# Allegro board 6089-119-RevB_08.brd (continued)
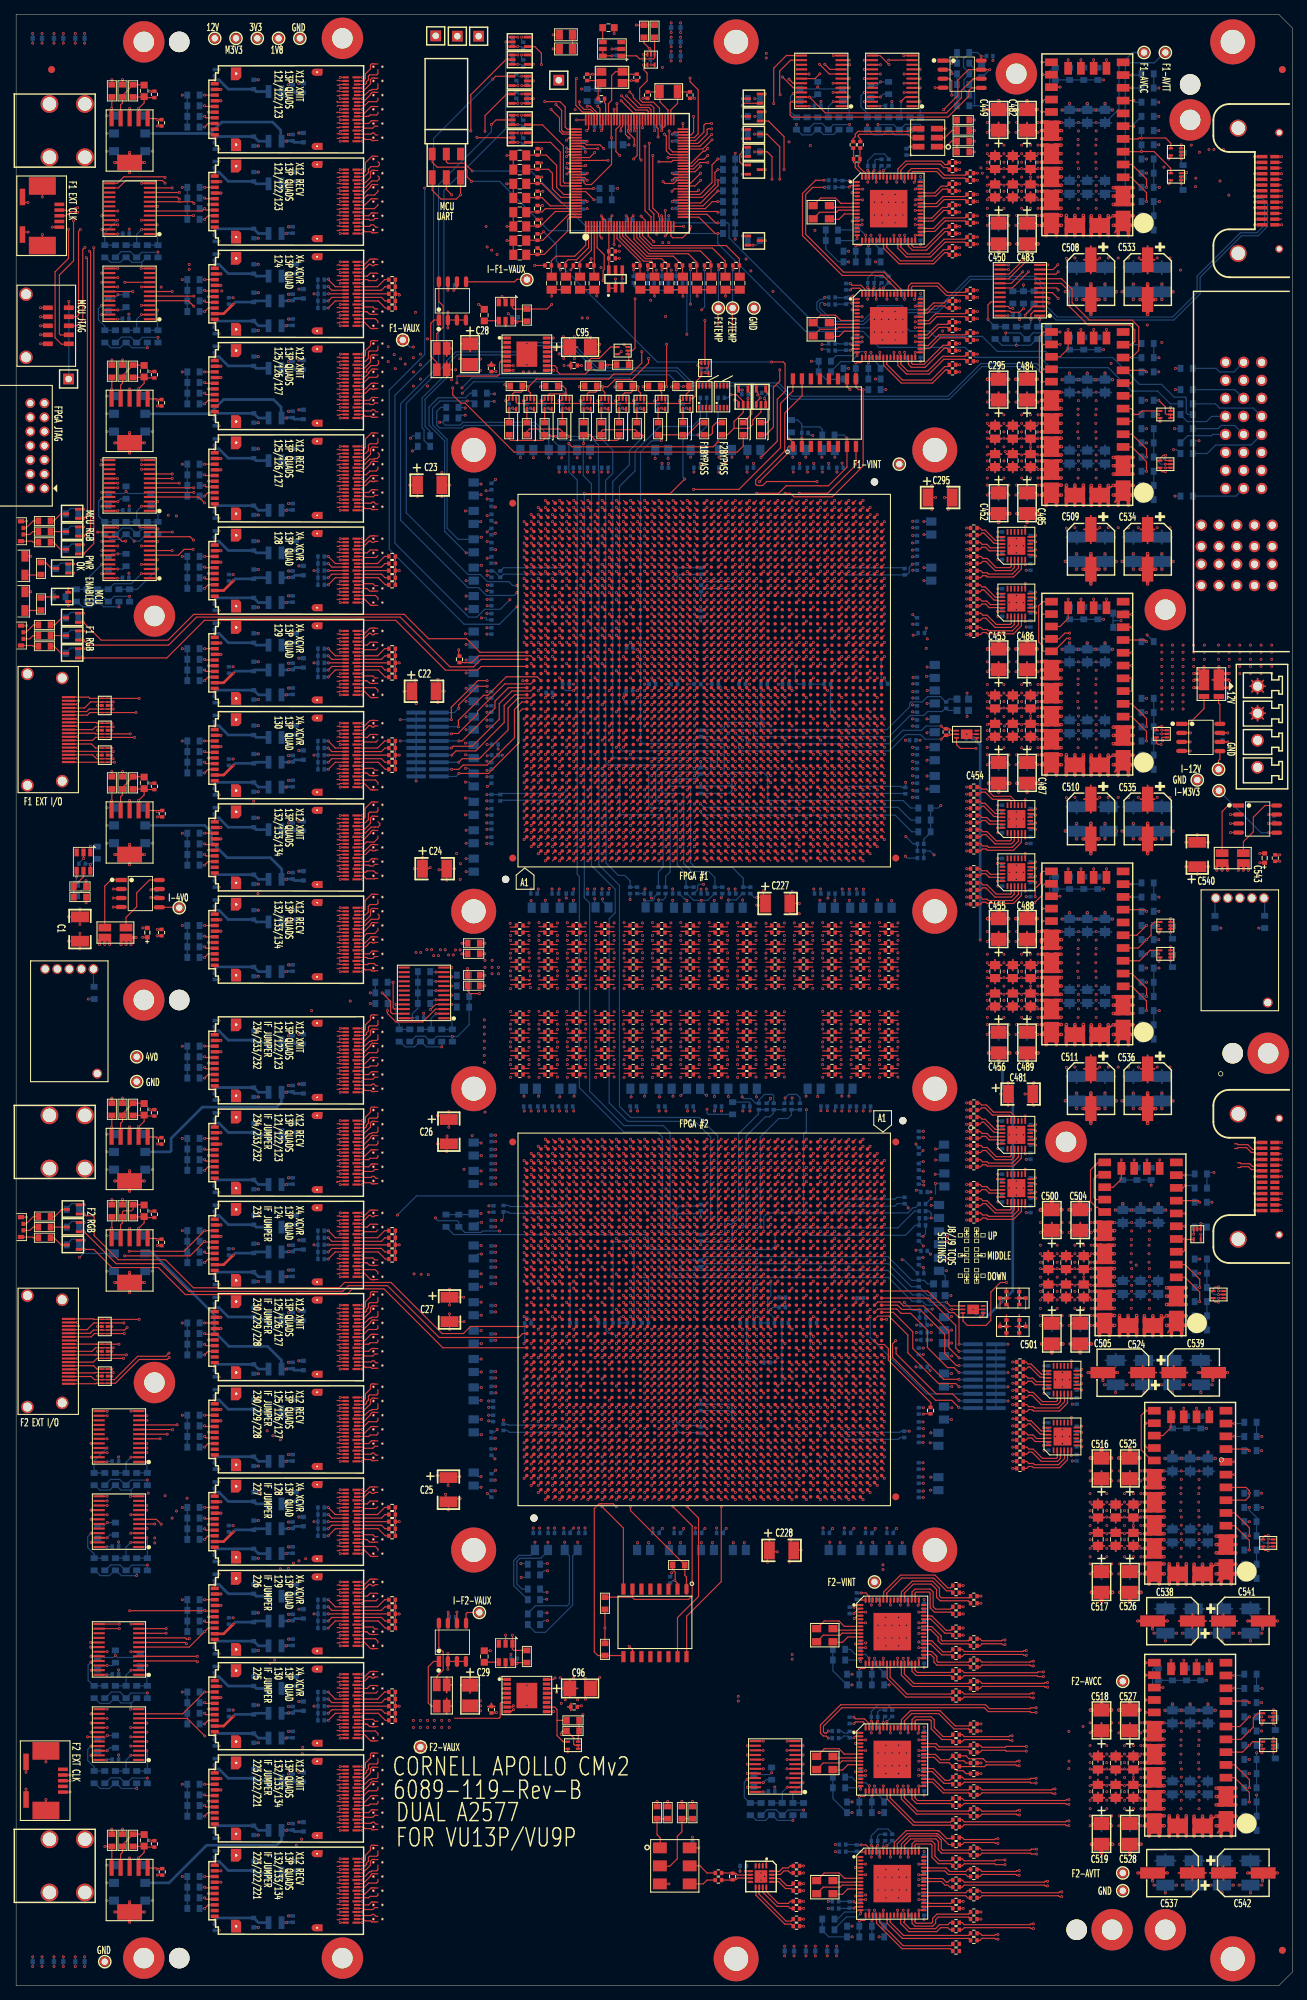
[diagram p0: board, top side]
## Routing (per net, layer and track width the routed paths; a pad name or vN(x,y) marks a point on that pad's centre or on a via; arc(x,y) is an arc through that point) (continued)
BC_PF1L_R0_2: length 7.2
  TOP w0.165: C370.1 135.71,200.4 135.73,200.41 135.96,200.41 136.25,200.7 136.7,200.7 137.99,199.4 140.3,199.4 140.71,199.81 140.71,200.22 140.75,200.26 U96.3
BC_PF1L_R0_3: length 3.9
  TOP w0.165: U96.23 138.36,202.15 138.32,202.19 137.17,202.19 136.67,202.69 136.15,202.69 135.86,202.4 C368.1
BC_PF1L_R0_4: length 4.4
  TOP w0.165: U96.21 138.36,203.15 138.26,203.25 137.85,203.25 136.41,204.69 136.15,204.69 135.86,204.4 C366.1
BC_PF1L_R0_5: length 8.3
  TOP w0.165: U97.5 141.75,192.26 141.71,192.22 141.71,191.61 140.6,190.5 136.9,190.5 136.72,190.68 136.23,190.68 135.95,190.4 C380.1
BC_PF1L_R0_6: length 7.2
  TOP w0.165: U97.3 140.75,192.26 140.71,192.22 140.71,191.81 140.3,191.4 137.99,191.4 136.7,192.7 136.25,192.7 135.96,192.41 135.73,192.41 135.71,192.4 C378.1
BC_PF1L_R0_7: length 3.9
  TOP w0.165: C376.1 135.86,194.4 136.15,194.69 136.67,194.69 137.17,194.19 138.32,194.19 138.36,194.15 U97.23
BC_PF1L_R0_8: length 4.4
  TOP w0.165: C374.1 135.86,196.4 136.15,196.69 136.41,196.69 137.85,195.25 138.26,195.25 138.36,195.15 U97.21
BC_PF1R_R0_1: length 8.3
  TOP w0.165: U98.5 141.75,161.76 141.71,161.72 141.71,161.11 140.6,160 136.9,160 136.72,160.18 136.23,160.18 135.95,159.9 C390.1
BC_PF1R_R0_2: length 7.2
  TOP w0.165: U98.3 140.75,161.76 140.71,161.72 140.71,161.31 140.3,160.9 137.99,160.9 136.7,162.2 136.25,162.2 135.96,161.91 135.73,161.91 135.71,161.9 C388.1
BC_PF1R_R0_3: length 3.9
  TOP w0.165: C386.1 135.86,163.9 136.15,164.19 136.67,164.19 137.17,163.69 138.32,163.69 138.36,163.65 U98.23
BC_PF1R_R0_4: length 4.4
  TOP w0.165: U98.21 138.36,164.65 138.26,164.75 137.85,164.75 136.41,166.19 136.15,166.19 135.86,165.9 C384.1
BC_PF1R_R0_5: length 6
  TOP w0.165: U98.17 140.25,166.95 140.02,167.18 137.62,167.18 136.61,168.19 136.09,168.19 135.8,167.9 C382.1
BC_PF1R_R0_6: length 8.3
  TOP w0.165: C396.1 135.95,152.4 136.23,152.68 136.72,152.68 136.9,152.5 140.6,152.5 141.71,153.61 141.71,154.22 141.75,154.26 U99.5
BC_PF1R_R0_7: length 7.2
  TOP w0.165: U99.3 140.75,154.26 140.71,154.22 140.71,153.81 140.3,153.4 137.99,153.4 136.7,154.7 136.25,154.7 135.96,154.41 135.73,154.41 135.71,154.4 C394.1
BC_PF1R_R0_8: length 3.9
  TOP w0.165: U99.23 138.36,156.15 138.32,156.19 137.17,156.19 136.67,156.69 136.15,156.69 135.86,156.4 C392.1
BC_PF2L_R0_1: length 8.3
  TOP w0.165: U103.5 148.25,82.76 148.21,82.72 148.21,82.11 147.1,81 143.4,81 143.22,81.18 142.73,81.18 142.45,80.9 C472.1
BC_PF2L_R0_2: length 7.2
  TOP w0.165: U103.3 147.25,82.76 147.21,82.72 147.21,82.31 146.8,81.9 144.49,81.9 143.2,83.2 142.75,83.2 142.46,82.91 142.23,82.91 142.21,82.9 C470.1
BC_PF2L_R0_3: length 3.9
  TOP w0.165: C468.1 142.36,84.9 142.65,85.19 143.17,85.19 143.67,84.69 144.82,84.69 144.86,84.65 U103.23
BC_PF2L_R0_4: length 4.4
  TOP w0.165: U103.21 144.86,85.65 144.76,85.75 144.35,85.75 142.91,87.19 142.65,87.19 142.36,86.9 C466.1
BC_PF2L_R0_5: length 8.3
  TOP w0.165: C480.1 142.45,72.9 142.73,73.18 143.22,73.18 143.4,73 147.1,73 148.21,74.11 148.21,74.72 148.25,74.76 U104.5
BC_PF2L_R0_6: length 7.2
  TOP w0.165: C478.1 142.21,74.9 142.23,74.91 142.46,74.91 142.75,75.2 143.2,75.2 144.49,73.9 146.8,73.9 147.21,74.31 147.21,74.72 147.25,74.76 U104.3
BC_PF2L_R0_7: length 3.9
  TOP w0.165: U104.23 144.86,76.65 144.82,76.69 143.67,76.69 143.17,77.19 142.65,77.19 142.36,76.9 C476.1
BC_PF2L_R0_8: length 4.4
  TOP w0.165: C474.1 142.36,78.9 142.65,79.19 142.91,79.19 144.35,77.75 144.76,77.75 144.86,77.65 U104.21
BC_PF2R_R0_1: length 8.3
  TOP w0.165: C406.1 135.95,115.4 136.23,115.68 136.72,115.68 136.9,115.5 140.6,115.5 141.71,116.61 141.71,117.22 141.75,117.26 U100.5
BC_PF2R_R0_2: length 7.2
  TOP w0.165: U100.3 140.75,117.26 140.71,117.22 140.71,116.81 140.3,116.4 137.99,116.4 136.7,117.7 136.25,117.7 135.96,117.41 135.73,117.41 135.71,117.4 C404.1
BC_PF2R_R0_3: length 3.9
  TOP w0.165: C402.1 135.86,119.4 136.15,119.69 136.67,119.69 137.17,119.19 138.32,119.19 138.36,119.15 U100.23
BC_PF2R_R0_4: length 4.4
  TOP w0.165: C400.1 135.86,121.4 136.15,121.69 136.41,121.69 137.85,120.25 138.26,120.25 138.36,120.15 U100.21
BC_PF2R_R0_5: length 6
  TOP w0.165: U100.17 140.25,122.45 140.02,122.68 137.62,122.68 136.61,123.69 136.09,123.69 135.8,123.4 C398.1
BC_PF2R_R0_6: length 8.3
  TOP w0.165: U101.5 141.75,109.76 141.71,109.72 141.71,109.11 140.6,108 136.9,108 136.72,108.18 136.23,108.18 135.95,107.9 C412.1
BC_PF2R_R0_7: length 7.2
  TOP w0.165: U101.3 140.75,109.76 140.71,109.72 140.71,109.31 140.3,108.9 137.99,108.9 136.7,110.2 136.25,110.2 135.96,109.91 135.73,109.91 135.71,109.9 C410.1
BC_PF2R_R0_8: length 3.9
  TOP w0.165: C408.1 135.86,111.9 136.15,112.19 136.67,112.19 137.17,111.69 138.32,111.69 138.36,111.65 U101.23
BC_PHQ_CLK_IN: length 315.7
  TOP w0.165: P2.15 v1(178.38,252.12)
  SIG2 w0.083: v1(178.38,252.12) 178.38,251.91 178.47,251.83 178.67,251.83 179.05,251.45 179.05,243.45 172.25,236.65 170.95,236.65 164.33,230.04 164.33,190.94 163.66,190.26 163.66,59.96 163.26,59.56 163.26,49.83 163.25,49.83 163.25,47.19 163.76,46.69 163.76,25.21 163.31,24.76 163.31,22.46 158.8,17.95 147.25,17.95 136.95,7.65 110.75,7.65 109.2,9.2 109.2,17.35 111.4,19.55 115.15,19.55 115.49,19.89 v1(115.49,19.9)
  BOTTOM w0.165: C837.1 v1(115.49,19.9)
BC_PLHC_CLK_IN: length 87.7
  TOP w0.165: P2.16 v1(174.58,252.12)
  BOTTOM w0.165: v1(174.58,252.12) 174.85,251.85 175.69,251.85 176.4,251.14 176.4,247.9 175.08,246.58 172.75,246.58 166.9,240.73 166.9,238.4 163.21,234.71 146.6,234.71 144.77,236.54 144.77,236.78 144.75,236.8 144.75,239.2 143.5,240.45 134.6,240.45 129.96,235.81 127.11,235.81 127.04,235.75 125.25,235.75 124.7,236.3 121.7,236.3 119.5,234.1 114.98,234.1 112.88,236.2 112.88,237.2 113.3,237.61 113.7,237.61 v1(113.99,237.9) C848.1
BC_PR0_FP_CLK: length 157.9
  TOP w0.165: J2.3 6.96,249.4 7.15,249.59 7.41,249.59 7.82,250 8.21,250 8.33,249.88 v1(8.67,249.88)
  SIG2 w0.083: v1(113.6,231.25) 113.8,231.05 114.21,231.05 114.3,231.14 114.3,231.26 110.49,235.06 110.49,267.86 106.5,271.85 105.98,271.85 v1(105.75,271.62)
  SIG3 w0.083: v1(105.75,271.62) 105.52,271.85 105.05,271.85 104.76,271.57 88.67,271.57 88.3,271.19 67.36,271.19 66.55,272 28.45,272 9.9,253.45 9.9,250.9 9.1,250.1 8.9,250.1 v1(8.67,249.88)
  BOTTOM w0.165: v1(113.6,231.25) 114.4,231.25 C850.1
BC_PR0_OSC: length 10.4
  TOP w0.165: C261.1 118,260.26 118.29,260.55 118.29,260.89 118.7,261.3 125.82,261.3 126.19,261.67 U92.4
BC_PR0A_0: length 11.4
  TOP w0.165: C305.1 131.27,244.62 130.73,244.62 129.16,243.05 124.65,243.05 122.71,244.99 122.71,245.22 122.75,245.26 U86.24
BC_PR0A_1: length 11.7
  TOP w0.165: U86.28 124.75,245.26 124.71,245.22 124.71,244.99 125.68,244.02 128.72,244.02 130.8,246.1 133.75,246.1 C355.1
BC_PR0A_2: length 7.4
  TOP w0.165: U86.31 126.25,245.26 126.24,245.25 126.52,244.97 128.17,244.97 130.8,247.6 131.25,247.6 C303.1
BC_PR0A_3: length 7.4
  TOP w0.165: C353.1 133.75,249.1 130.81,249.1 129.32,247.61 128.18,247.61 128.14,247.65 U86.35
BC_PR0A_4: length 4.9
  TOP w0.165: C301.1 131.22,250.57 130.58,250.57 129.08,249.07 127.53,249.07 U86.38
BC_PR0A_5: length 7.2
  TOP w0.165: U86.42 128.14,251.15 128.18,251.11 129.67,251.11 130.66,252.1 133.75,252.1 C351.1
BC_PR0A_6: length 4.7
  TOP w0.165: C299.1 131.22,253.57 130.43,253.57 129.47,252.61 128.18,252.61 128.14,252.65 U86.45
BC_PR0A_7: length 9.7
  TOP w0.165: C349.1 133.77,255.12 130.87,255.12 129.94,256.05 126.2,256.05 125.79,255.64 125.79,255.58 125.75,255.54 U86.51
BC_PR0A_8: length 9.2
  TOP w0.165: U86.54 124.25,255.54 124.29,255.58 124.29,255.99 125.4,257.1 130.44,257.1 130.94,256.6 131.25,256.6 C297.1
BC_PR0A_FB: length 1.7
  TOP w0.165: U86.59 v1(121.75,255.56)
  BOTTOM w0.165: v1(121.75,255.56) 121.75,256.2 C811.1
BC_PR0B_1: length 11.6
  TOP w0.165: U87.24 122.75,228.76 122.71,228.72 122.71,228.49 124.95,226.25 129,226.25 130.9,228.15 131.3,228.15 C313.1
BC_PR0B_2: length 11.7
  TOP w0.165: C363.1 133.75,229.6 130.61,229.6 128.53,227.52 125.68,227.52 124.71,228.49 124.71,228.72 124.75,228.76 U87.28
BC_PR0B_3: length 7.5
  TOP w0.165: U87.31 126.25,228.76 126.21,228.72 126.21,228.63 126.37,228.47 127.98,228.47 130.66,231.15 131.3,231.15 C311.1
BC_PR0B_4: length 7.4
  TOP w0.165: C361.1 133.77,232.62 130.08,232.62 128.57,231.11 128.18,231.11 128.14,231.15 U87.35
BC_PR0B_5: length 4.9
  TOP w0.165: C309.1 131.25,234.1 129.91,234.1 128.42,232.61 128.18,232.61 128.14,232.65 U87.38
BC_PR0B_6: length 7.2
  TOP w0.165: C359.1 133.75,235.6 129.61,235.6 128.62,234.61 128.18,234.61 128.14,234.65 U87.42
BC_PR0B_7: length 4.7
  TOP w0.165: C307.1 131.14,237.4 130.85,237.11 129.32,237.11 128.32,236.11 128.18,236.11 128.14,236.15 U87.45
BC_PR0B_8: length 10.2
  TOP w0.165: C357.1 133.75,238.6 131.3,238.6 130,239.9 126.2,239.9 125.79,239.49 125.79,239.08 125.75,239.04 U87.51
BC_PR0B_FB: length 1.7
  TOP w0.165: U87.59 v1(121.75,239.06)
  BOTTOM w0.165: C812.1 121.75,239.7 v1(121.75,239.06)
BC_PR1_FP_CLK: length 123.3
  TOP w0.165: J3.3 v1(7.6,28.9)
  SIG3 w0.083: v1(114.49,11.9) 114.49,11.59 114.41,11.5 112.26,11.5 111.16,10.41 109.26,10.41 105.56,6.71 26.54,6.71 6.86,26.39 6.86,28.91 7.14,29.2 7.52,29.2 7.6,29.11 v1(7.6,28.9)
  BOTTOM w0.165: C843.1 v1(114.49,11.9)
BC_PR1A_0: length 13.2
  TOP w0.165: U91.24 123.25,9.26 123.21,9.22 123.21,8.99 125.1,7.1 134.25,7.1 C439.1
BC_PR1A_1: length 8.7
  TOP w0.165: C345.1 131.64,8.9 131.35,8.61 130.16,8.61 129.6,8.05 126,8.05 125.1,8.95 125.25,9.1 U91.28
BC_PR1A_2: length 9.8
  TOP w0.165: C437.1 134.25,10.1 129.8,10.1 129.2,9.5 129.2,8.99 129.03,8.82 126.87,8.82 126.71,8.99 126.71,9.22 126.75,9.26 U91.31
BC_PR1A_3: length 4.2
  TOP w0.165: C343.1 131.76,11.61 128.68,11.61 128.64,11.65 U91.35
BC_PR1A_4: length 6.7
  TOP w0.165: U91.38 128.64,13.15 128.68,13.11 133.85,13.11 134.14,13.4 C435.1
BC_PR1A_5: length 4.4
  TOP w0.165: U91.42 128.64,15.15 128.68,15.11 130.61,15.11 131.11,14.61 131.35,14.61 131.64,14.9 C341.1
BC_PR1A_6: length 6.9
  TOP w0.165: C433.1 134.14,16.4 133.85,16.11 131.58,16.11 131.08,16.61 128.68,16.61 128.64,16.65 U91.45
BC_PR1A_7: length 9.4
  TOP w0.165: U91.51 126.25,19.54 126.29,19.58 126.29,19.99 126.7,20.4 129.11,20.4 129.52,19.99 129.52,18.27 130.17,17.62 131.77,17.62 C339.1
BC_PR1A_8: length 13
  TOP w0.165: C431.1 134.27,19.12 130.62,19.12 130.42,19.32 130.42,20.52 129.82,21.12 125.92,21.12 124.79,19.99 124.79,19.58 124.75,19.54 U91.54
BC_PR1A_9: length 10.8
  TOP w0.165: C337.1 131.9,20.75 131.2,20.75 130.12,21.83 129.97,21.83 129.95,21.85 125.45,21.85 123.79,20.19 123.79,19.58 123.75,19.54 U91.56
BC_PR1A_10: length 12.8
  TOP w0.165: U91.21 121.75,9.26 121.71,9.22 121.71,8.99 125.05,5.65 131.8,5.65 C347.1
BC_PR1A_FB: length 1.7
  TOP w0.165: U91.59 v1(122.25,19.56)
  BOTTOM w0.165: C810.1 122.25,20.2 v1(122.25,19.56)
BC_PR1B_0: length 11.4
  TOP w0.165: C335.1 131.7,23.05 126.65,23.05 123.21,26.49 123.21,26.72 123.25,26.76 U90.24
BC_PR1B_1: length 11.2
  TOP w0.165: C429.1 134.27,24.62 127.08,24.62 125.21,26.49 125.21,26.72 125.25,26.76 U90.28
BC_PR1B_2: length 6.6
  TOP w0.165: U90.31 126.75,26.76 126.71,26.72 126.71,26.49 127.1,26.1 131.75,26.1 C333.1
BC_PR1B_3: length 7.4
  TOP w0.165: U90.35 128.64,29.15 128.68,29.11 129.34,29.11 130.85,27.6 134.25,27.6 C427.1
BC_PR1B_4: length 5
  TOP w0.165: U90.38 128.64,30.65 128.68,30.61 129.29,30.61 130.95,28.95 131.6,28.95 C331.1
BC_PR1B_5: length 7.6
  TOP w0.165: U90.42 128.64,32.65 128.68,32.61 129.59,32.61 130.35,31.85 131.5,31.85 C329.1 132.75,31.7 133.6,31.7 133.9,31.4 C425.1
BC_PR1B_6: length 6.9
  TOP w0.165: C423.1 134.32,33.67 130.12,33.67 129.68,34.11 128.68,34.11 128.64,34.15 U90.45
BC_PR1B_7: length 9
  TOP w0.165: C327.1 131.77,35.12 130.67,35.12 129.42,36.37 129.42,37.49 129.01,37.9 126.7,37.9 126.29,37.49 126.29,37.08 126.25,37.04 U90.51
BC_PR1B_8: length 12.5
  TOP w0.165: U90.54 124.75,37.04 124.79,37.08 124.79,37.49 126.07,38.77 130.22,38.77 132.37,36.62 134.27,36.62 C421.1
BC_PR1B_FB: length 1.7
  TOP w0.165: U90.59 v1(122.25,37.06)
  BOTTOM w0.165: v1(122.25,37.06) 122.25,37.7 C809.1
BC_PR1C_0: length 11.9
  TOP w0.165: C325.1 131.75,41.1 125.6,41.1 123.21,43.49 123.21,44.72 123.25,44.76 U89.24
BC_PR1C_1: length 11.5
  TOP w0.165: C419.1 134.25,42.6 126.55,42.6 125.21,43.94 125.21,44.72 125.25,44.76 U89.28
BC_PR1C_2: length 6.6
  TOP w0.165: C323.1 131.8,44.15 127.05,44.15 126.71,44.49 126.71,44.72 126.75,44.76 U89.31
BC_PR1C_3: length 7.7
  TOP w0.165: C417.1 134.25,45.6 129.97,45.6 129.8,45.77 129.8,46.4 129.09,47.11 128.68,47.11 128.64,47.15 U89.35
BC_PR1C_4: length 4.9
  TOP w0.165: C321.1 131.7,47.05 130.65,47.05 129.09,48.61 128.68,48.61 128.64,48.65 U89.38
BC_PR1C_5: length 7.9
  TOP w0.165: C415.1 134.25,48.6 130.57,48.6 130.4,48.77 130.4,49.3 129.09,50.61 128.68,50.61 128.64,50.65 U89.42
BC_PR1C_6: length 5.1
  TOP w0.165: C319.1 131.75,50.1 131.1,50.1 129.09,52.11 128.68,52.11 128.64,52.15 U89.45
BC_PR1C_7: length 9.6
  TOP w0.165: U89.51 126.25,55.04 126.29,55.08 126.29,55.49 126.7,55.9 128.86,55.9 129.27,55.49 129.27,53.42 129.62,53.07 131.72,53.07 C317.1
BC_PR1C_8: length 13.3
  TOP w0.165: C413.1 134.32,54.67 130.42,54.67 130.17,54.92 130.17,56.02 129.17,57.02 126.32,57.02 124.79,55.49 124.79,55.08 124.75,55.04 U89.54
BC_PR1C_9: length 12.8
  TOP w0.165: U89.59 122.25,55.04 122.29,55.08 122.29,55.49 124.67,57.87 129.52,57.87 131.32,56.07 131.72,56.07 C315.1
BC_PSYN_R0A_IN1: length 27.6
  TOP w0.165: v1(113.9,254.4) 112.7,254.4 110.85,252.55 110.85,246.6 116.45,241 122.15,241 124.25,238.9 U87.54
  BOTTOM w0.165: C846.1 v1(113.9,254.4)
BC_PUTIL: length 3.8
  TOP w0.165: C192.1 97.4,14.9 96.86,14.36 U71.4
BC_PUTIL_0: length 8.2
  TOP w0.165: C236.1 109.25,8.7 108.35,8.7 104.29,12.76 104.29,13.17 104.25,13.21 U82.9
BC_PUTIL_1: length 5.9
  TOP w0.165: C234.1 109.14,10.9 108.85,11.19 107.27,11.19 105.25,13.21 U82.11
BC_PUTIL_2: length 3.6
  TOP w0.165: U82.13 107.19,14.65 107.23,14.69 107.46,14.69 108.45,13.7 109.25,13.7 C232.1
BC_PUTIL_3: length 3.4
  TOP w0.165: U82.15 107.19,15.65 107.23,15.69 107.74,15.69 108.24,16.19 108.85,16.19 109.14,15.9 C230.1
CM_TO_SM_PWR_OK: length 296.1
  TOP w0.165: Q1.1 v1(8.1,199.05) ; U68.76 88.3,261.8 v1(88.31,261.8)
  SIG1 w0.079: v1(91.1,270.3) 90.1,271.3 76.79,271.3 75.49,272.6 70.5,272.6 70.05,272.15 30.2,272.15 21.45,263.4 v1(21.45,207.2)
  SIG3 w0.079: v1(8.1,199.05) 11.95,202.9 13.5,202.9 17.8,207.2 v1(21.45,207.2)
  SIG4 w0.079: P1.1 174.4,209.8 170.05,209.8 167.7,212.15 167.7,254 165.05,256.65 158.85,256.65 145.26,270.24 144.26,270.24 142.1,272.4 113.65,272.4 111.55,270.3 v1(91.1,270.3) 89.1,268.3 89.1,262.59 v1(88.31,261.8)
  BOTTOM w0.165: R691.1 7.45,199.7 v1(8.1,199.05)
CUR_F2_V_VCCAUX: length 269.6
  TOP w0.165: R132.1 v1(97.05,241.79) ; PM12.1 63.6,52.6 63.43,52.43 U46.5
  SIG1 w0.079: v1(56.3,235.8) 52.75,232.25 45.2,232.25 37.62,224.67 37.62,76.77 37.3,76.45 37.3,60.42 38.57,59.15 39.85,59.15 47,52 64.7,52 PM12.1
  PWR4 w0.152: v1(56.3,235.8) 60.2,235.8 60.61,236.21 61.03,236.21 61.09,236.15 v1(96.65,236.15)
  BOTTOM w0.165: v1(97.05,241.79) 97.05,236.55 v1(96.65,236.15)
CUR_V_4V0: length 145.9
  TOP w0.165: PM4.1 22.93,151.97 U23.5 ; R94.1 v1(73.1,242.4)
  SIG1 w0.079: v1(73.1,242.4) 70.1,245.4 38.55,245.4 33.75,240.6 33.75,167.17 33.87,167.05 33.87,165.82 33.6,165.55 33.6,154.4 v1(34.1,153.9)
  SIG3 w0.079: v1(34.1,153.9) 25,153.9 PM4.1
CUR_V_12V: length 141
  TOP w0.165: PM25.1 169.5,172.65 169.69,172.84 U120.5 ; R102.1 78.55,242.15 78.2,241.8 v1(78.2,241.78)
  SIG3 w0.079: v1(128.44,189.79) 128.46,189.79 136.6,181.65 158.6,181.65 163.95,176.3 164.95,176.3 169.5,171.75 PM25.1
  SIG4 w0.079: v1(78.2,241.78) 78.2,236 80.85,233.35 106.85,233.35 122.25,217.95 123.3,217.95 127.05,214.2 127.05,191.2 128.45,189.8 128.45,189.79 v1(128.44,189.79)
CUR_V_F1_VCCAUX: length 38.7
  TOP w0.165: U45.5 70.24,240.09 70.6,240.45 71.95,240.45 PM13.1 ; R130.1 v1(95.05,241.79)
  PWR4 w0.152: v1(95.05,236.95) 86.1,236.95 83.5,239.55 72.85,239.55 PM13.1
  BOTTOM w0.165: v1(95.05,241.79) v1(95.05,236.95)
CUR_V_M3V3: length 152.8
  TOP w0.165: R96.1 76.55,242 76.75,241.8 v1(76.75,241.76) ; U123.5 v1(176.57,162.47)
  SIG3 w0.079: PM26.1 165.1,172.85 142.54,172.85 137.24,178.15 136.75,178.15 128.3,186.6 v1(128.3,188.45)
  SIG4 w0.079: v1(76.75,241.76) 76.75,236.95 80.83,232.87 94.23,232.87 94.41,233.04 94.69,233.04 94.87,232.87 105.38,232.87 120.89,217.36 123.04,217.36 125.7,214.7 125.7,190.35 127.6,188.45 v1(128.3,188.45)
  BOTTOM w0.165: v1(176.57,162.47) 175.48,162.47 PM26.1
EN_1V8: length 8.2
  TOP w0.165: U108.6 158.17,146.22 v1(159.35,147.4) 160,148.05 160,149.4 160.5,149.9 U113.4
  BOTTOM w0.165: R237.1 v1(159.35,147.4)
EN_3V3: length 184.1
  TOP w0.165: U114.4 159.85,145.9 v1(159.35,145.4) 158.37,144.43 U108.5
  SIG3 w0.079: v1(159.35,145.4) 156.25,142.3 156.25,136.4 152.95,133.1 132.25,133.1 121.8,122.65 63.91,122.65 51.16,135.4 46.3,135.4 45.2,136.5 28.62,136.5 27.52,135.4 11.96,135.4 U1.1
  BOTTOM w0.165: R238.1 v1(159.35,145.4)
EN_F1_AVCC: length 9.3
  TOP w0.165: U105.5 158.59,258.43 v1(158.64,258.47) 158.66,258.45 160.4,258.45 162.76,256.09 U116.4
  BOTTOM w0.165: v1(158.64,258.47) R208.1
EN_F1_AVTT: length 8.9
  TOP w0.165: 158.64,260.35 162.05,260.35 162.76,259.64 U115.4 ; 158.64,260.35 158.3,260.35 158.17,260.23 156.05,260.23 ; 158.64,260.35 v1(158.64,260.33)
  BOTTOM w0.165: R207.1 v1(158.64,260.33)
EN_F1_FF1_XMIT_3V8: length 65.3
  TOP w0.165: R14.2 13.5,264.55 v1(13.46,264.51) U13.5 13.5,263.14 ; 13.2,204.82 v1(11.5,204.82)
  SIG1 w0.079: v1(13.46,264.51) 13.45,264.5 13.45,262.45 11.5,260.5 v1(11.5,204.82)
EN_F1_FF2_XMIT_3V8: length 28
  TOP w0.165: v1(15.45,203.55) 14.9,203.55 14.28,204.18 U18.15 ; 13.5,223.64 U16.5 v1(13.46,224.94) 13.5,224.98 R15.2
  SIG1 w0.079: v1(15.45,203.55) 15.45,209.45 15.15,209.75 15.15,223.57 13.78,224.94 v1(13.46,224.94)
EN_F1_FF3_XMIT_3V8: length 41.4
  TOP w0.165: R16.2 13.5,167 v1(13.46,166.96) U19.5 13.5,165.64 ; U18.16 v1(12.07,203.53)
  SIG2 w0.079: v1(13.46,166.96) 13.46,170.14 12.9,170.7 12.9,202.69 v1(12.07,203.53)
EN_F1_INT: length 51.6
  TOP w0.165: U111.4 158.7,221.9 158.2,221.4 v1(157.45,221.4) ; v1(157.45,221.4) 157.45,221.95 157.18,222.22 U106.6 ; v1(157.45,221.4) 157.45,220.7 157.18,220.43 U106.5 ; U107.6 v1(157.25,184.22) 157.25,182.45 157.22,182.43 U107.5
  SIG2 w0.079: v1(157.45,221.4) 156.95,220.9 156.95,209.8 157.3,209.45 157.3,205.4 156.9,205 156.9,193.39 156.89,193.38 156.89,193.07 156.9,193.06 156.9,191.59 156.89,191.58 156.89,191.27 156.9,191.26 156.9,187.99 156.89,187.98 156.89,187.67 156.9,187.66 156.9,186.19 156.89,186.18 156.89,185.87 156.9,185.86 156.9,185.55 157.25,185.2 v1(157.25,184.22)
  BOTTOM w0.165: R219.1 v1(157.45,221.4)
EN_F1_VCCAUX: length 13.1
  TOP w0.165: U56.10 75.92,228.28 76.25,227.95 76.25,227.5 76.65,227.1 80.25,227.1 80.8,227.65 80.8,228.29 R106.2 80.8,228.31 80.8,229.05 81.05,229.3 82.2,229.3 83.8,230.9 U66.4
EN_F2_AVCC: length 6.5
  TOP w0.165: U126.4 174.35,34.4 v1(173.85,33.9) 172.87,32.92 U118.5
  BOTTOM w0.165: R165.1 v1(173.85,33.9)
EN_F2_AVTT: length 8.2
  TOP w0.165: U118.6 172.67,34.73 v1(173.85,35.9) 174.4,36.45 174.4,37.75 175.05,38.4 U125.4
  BOTTOM w0.165: R164.1 v1(173.85,35.9)
EN_F2_FF1_XMIT_3V8: length 89.4
  TOP w0.165: U20.5 v1(13.46,120.96) 13.5,121 R17.2 ; U12.14 v1(10.57,38.33)
  SIG2 w0.079: v1(13.46,120.96) 12.86,120.96 12.15,120.25 12.15,115.4 10.9,114.15 10.9,103.75 9.35,102.2 9.35,93.2 9.37,93.18 9.37,92.73 9.35,92.71 9.35,40.2 10.57,38.98 v1(10.57,38.33)
EN_F2_FF2_XMIT_3V8: length 74.5
  TOP w0.165: U21.5 v1(13.46,106.73) 13.5,106.77 R18.2 ; U12.15 v1(12.83,37.67)
  SIG2 w0.079: v1(12.83,37.67) 12.93,37.67 13.6,38.35 13.6,84.35 12.8,85.15 12.8,99.65 13.75,100.6 13.75,106.44 v1(13.46,106.73)
EN_F2_FF3_XMIT_3V8: length 23.4
  TOP w0.165: U22.5 13.5,16.64 R19.2 v1(12.51,19.64) ; U12.16 v1(10.57,37.02)
  SIG2 w0.079: v1(10.57,37.02) 11.5,36.09 11.5,32.45 12.51,31.44 v1(12.51,19.64)
EN_F2_INT: length 54
  TOP w0.165: 163.55,103.42 164.53,103.42 164.75,103.65 164.75,105.22 v1(164.75,105.22) ; U119.4 164.82,105.16 v1(164.75,105.22) ; 163.55,105.22 v1(164.75,105.22) ; 170.55,68.42 173.32,68.42 173.85,68.95 173.85,69.4 v1(173.85,69.4) 173.85,69.75 173.38,70.22 170.55,70.22
  SIG2 w0.079: v1(164.75,105.22) 165.75,104.23 165.75,76.65 173,69.4 v1(173.85,69.4)
  BOTTOM w0.165: R153.1 v1(173.85,69.4)
EN_F2_VCCAUX: length 8.6
  TOP w0.165: U61.4 77.1,34.4 76.25,35.25 76.25,37.4 ; 76.25,37.4 R100.2 ; 76.25,37.4 76.25,38.95 75.92,39.27 U57.10
F1_CFG_DONE: length 243
  TOP w0.165: U75.AJ13 v1(100.39,170.51) ; v1(108.25,255.9) 108.25,260.55 106.05,262.75 Q13.1
  SIG2 w0.079: v1(100.39,170.51) 99.95,170.07 99.95,169.58 99.37,169 91.55,169 91.15,169.4 91.15,170.85 90.95,171.05 74.18,171.05 74.1,170.97 74.1,158.2 73.8,157.9 64.6,157.9 63.78,157.08 63.78,156.84 63.58,156.64 63.34,156.64 v1(62.6,155.9)
  PWR3 w0.152: v1(108.25,255.9) 107.7,256.45 97.4,256.45 96.95,256 96.67,256 96.67,255.99 96.33,255.99 96.33,256 82.27,256 82.27,255.99 81.93,255.99 81.93,256 80,256 78.2,254.2 70.05,254.2 55.7,239.85 55.7,231.45 53.45,229.2 v1(53.45,227.85)
  PWR4 w0.152: v1(53.45,227.85) 53.45,165.05 v1(62.6,155.9)
  BOTTOM w0.165: v1(100.39,170.51) 100.83,170.95 105.35,170.95 105.95,170.35 105.95,167.3 106.25,167 125.05,167 126.1,165.95 R295.2
F1_CFG_START: length 26.4
  TOP w0.165: Q14.1 v1(102.4,261.55) ; v1(82,258.85) 80.3,258.85 79.95,259.2 U68.103
  SIG3 w0.079: v1(102.4,261.55) 101.89,261.55 101.56,261.22 95.62,261.22 94.8,260.4 91.35,260.4 90.95,260 85.71,260 85.71,259.99 85.42,259.99 85.41,260 83.15,260 v1(82,258.85)
  BOTTOM w0.165: v1(102.4,261.55) 102.49,261.55 R403.2
F1_FF1_XMIT_3V8_SEL: length 62.8
  TOP w0.165: U18.17 v1(14.33,202.88)
  SIG1 w0.079: v1(14.33,202.88) 14.33,203.93 14.75,204.35 14.75,222.75 13.05,224.45 13.05,232 14.95,233.9 14.95,258.85 v1(12.8,261)
  BOTTOM w0.165: SW1.5 v1(12.8,261)
F1_FF2_XMIT_3V8_SEL: length 21.7
  TOP w0.165: U18.18 v1(12.07,202.22)
  SIG1 w0.079: v1(12.8,221.5) 12.5,221.2 12.5,219.19 12.45,219.14 12.45,218.86 12.5,218.81 12.5,202.66 v1(12.07,202.22)
  BOTTOM w0.165: SW2.5 v1(12.8,221.5)
F1_FF3_XMIT_3V8_SEL: length 40.9
  TOP w0.165: U18.19 v1(12.07,201.57)
  SIG2 w0.079: v1(12.8,163.5) 12.05,164.25 12.05,180.34 11.6,180.79 11.6,201.1 v1(12.07,201.57)
  BOTTOM w0.165: SW3.5 v1(12.8,163.5)
F1_HDR01: length 25.7
  TOP w0.165: v1(66.4,183.1) 65,183.1 62.4,180.5 v1(62.4,180) ; U75.L28 v1(81.61,186.29)
  SIG3 w0.079: v1(81.61,186.29) 81.61,186.26 81.2,185.85 69.15,185.85 v1(66.4,183.1)
  BOTTOM w0.165: v1(62.4,180) 61.8,179.4 J12.1
F1_HDR02: length 27.3
  TOP w0.165: U75.L29 v1(81.61,187.29) ; v1(66.4,183.9) 65.1,183.9 61.35,180.15 v1(61.35,178.4)
  SIG3 w0.079: v1(81.61,187.29) 81.59,187.29 81.1,186.8 69.3,186.8 v1(66.4,183.9)
  BOTTOM w0.165: J12.3 v1(61.35,178.4)
F1_HDR03: length 18.1
  TOP w0.165: v1(62.35,177.4) 62.35,178.3 65.89,181.84 66.49,181.84 69.09,184.44 73.46,184.44 U75.C26
  BOTTOM w0.165: J12.5 v1(62.35,177.4)
F1_HDR04: length 16.7
  TOP w0.165: U75.B26 72.54,183.44 68.89,183.44 66.75,181.3 66.75,181.29 66.53,181.06 66.51,181.06 65.05,179.6 65.05,179.2 62.3,176.45 61.4,176.45 v1(61.35,176.4)
  BOTTOM w0.165: J12.7 v1(61.35,176.4)
F1_HDR05: length 16.1
  TOP w0.165: v1(62.42,175.4) 62.86,175.4 67.5,180.04 67.5,181 69.4,182.9 U75.A25
  BOTTOM w0.165: J12.9 v1(62.42,175.4)
F1_HDR06: length 18.2
  TOP w0.165: U75.B25 72.54,182.44 69.89,182.44 68.1,180.65 68.1,178.45 64.3,174.65 61.6,174.65 v1(61.35,174.4)
  BOTTOM w0.165: J12.11 v1(61.35,174.4)
F1_HDR07: length 17.3
  TOP w0.165: v1(61.42,173.4) 62.02,174 64.8,174 68.8,178 68.8,180.4 70.3,181.9 U75.A24
  BOTTOM w0.165: J12.13 v1(61.42,173.4)
F1_HDR08: length 19.1
  TOP w0.165: U75.B24 72.54,181.44 70.74,181.44 69.35,180.05 69.35,176.95 65.3,172.9 62.9,172.9 v1(62.4,172.4)
  BOTTOM w0.165: J12.15 v1(62.4,172.4)
F1_HDR09: length 18.7
  TOP w0.165: U75.A23 71.3,180.9 70.25,179.85 70.25,175.85 66.4,172 63,172 62.4,171.4 v1(61.4,171.4)
  BOTTOM w0.165: J12.17 v1(61.4,171.4)
F1_HDR10: length 19
  TOP w0.165: U75.A22 71.35,179.9 70.9,179.45 70.9,175.15 66.58,170.82 v1(62.42,170.82)
  BOTTOM w0.165: J12.19 62.05,170.4 62.48,170.82 v1(62.42,170.82)
F1_LED_BLUE: length 69
  TOP w0.165: U75.A30 65.4,187.9 63.5,189.8 58.15,189.8 54.71,193.24 25.04,193.24 21.4,189.6 12,189.6 v1(9.5,192.1) Q6.1
  BOTTOM w0.165: R688.2 8.85,192.75 v1(9.5,192.1)
F1_LED_GREEN: length 69.5
  TOP w0.165: Q7.1 v1(9.5,189.6) 10.2,188.9 21.5,188.9 25.45,192.85 54.15,192.85 61.15,185.85 64.5,185.85 65.55,186.9 U75.A29
  BOTTOM w0.165: R689.2 8.85,190.25 v1(9.5,189.6)
F1_LED_RED: length 69.6
  TOP w0.165: U75.A28 65.55,185.9 65.02,185.37 60.53,185.37 53.5,192.4 26.55,192.4 21.25,187.1 v1(9.5,187.1) Q8.1
  BOTTOM w0.165: v1(9.5,187.1) 8.85,187.75 R690.2
F1_TCK: length 71.2
  TOP w0.165: U75.AF13 v1(97.39,170.51) ; R108.2 82.5,219.05 82.7,219.25 87.3,219.25 87.5,219.05 R119.2 88.21,218.54 v1(88.45,218.3)
  BOTTOM w0.165: v1(97.39,170.51) 97.95,171.07 97.95,172.83 97.78,173 84.4,173 84.1,173.3 84.1,211.95 86.45,214.3 86.45,216.3 v1(88.45,218.3)
F1_TDI: length 69.6
  TOP w0.165: v1(90.95,217.75) 90.95,218.09 R124.2 R129.2 94.64,218.54 96.36,220.26 R131.1 ; U75.AH13 v1(99.39,170.51)